# Altium PCB Quark.PcbDoc (part 2 of 4) (continued)
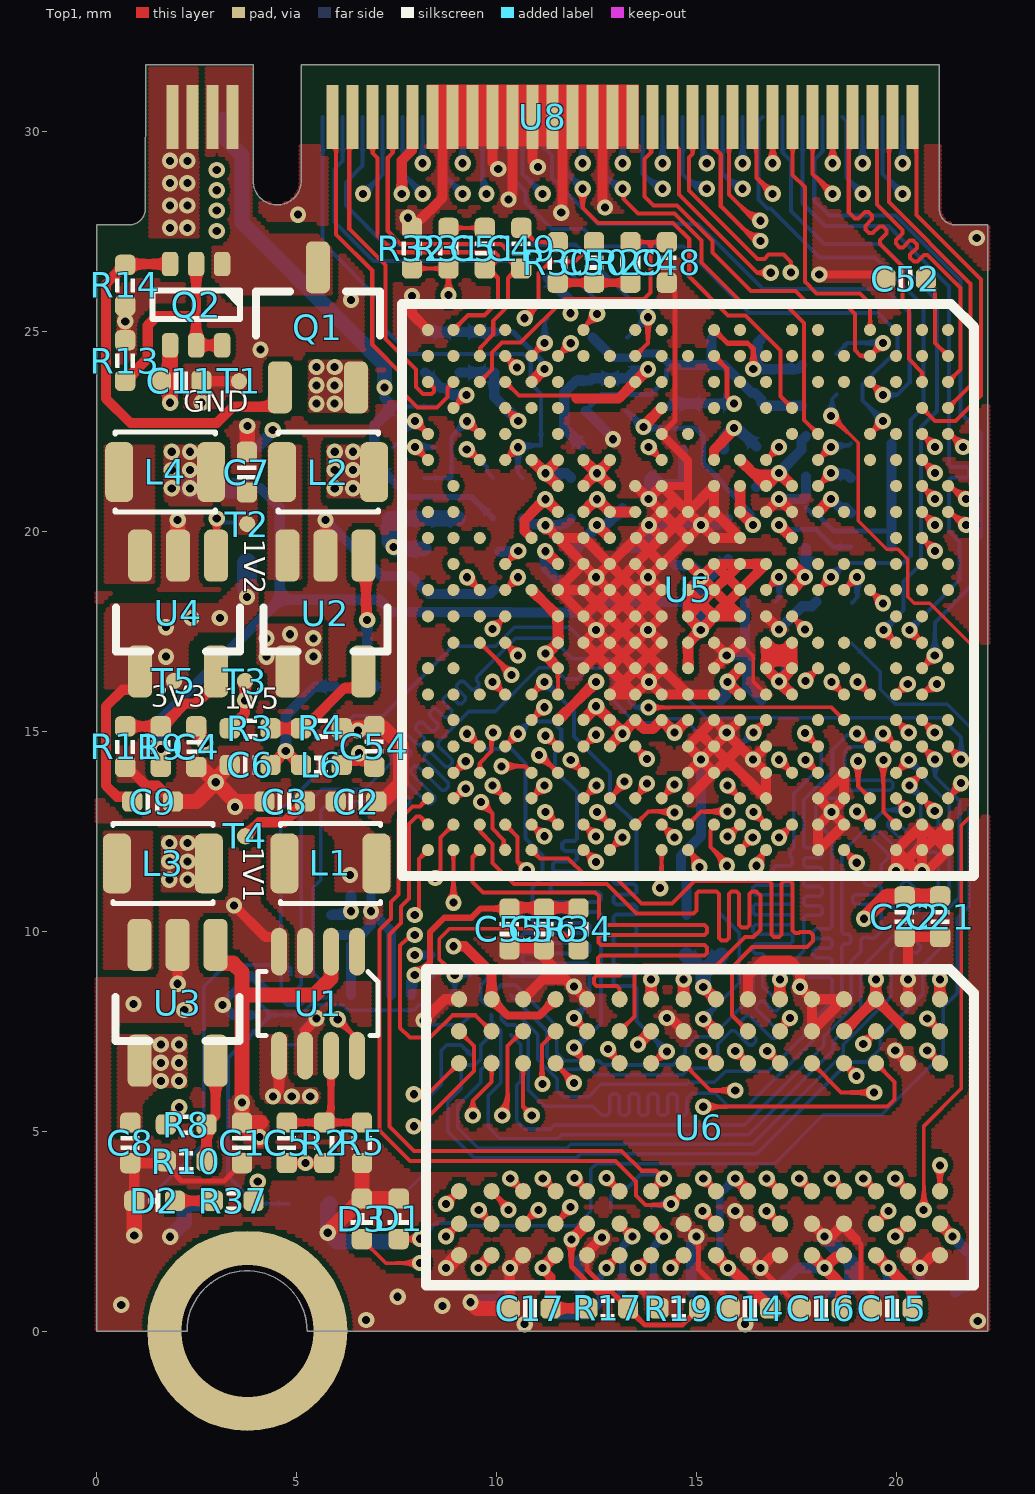
[diagram p0: Top1 view]
## Nets (pads, with @x,y where several pads share a name; then routed paths per layer and width w, separated by ;. In a path a pad name is that pad's centre, name@x,y a point inside that pad or via, vN(x,y) a via of type N, cw(c..) or ccw(c..) an arc to the next point about the centre after c; other vN are vias at no path point) (continued)
NetC59_2: C59.2 C60.2 U7.C2 | length 6
  Bottom6 w0.089: C60.2@6.599,3.251 7.493,3.251 8.331,4.089 8.331,5.893 8.604,6.166 8.604,7.011 8.749,7.157 9.104,7.157 U7.C2@9.352,6.908
NetD1_1: D1.1 R36.2 | length 28.9
  Top1 w0.089: D1.1@7.544,2.301 7.549,2.306 8.072,2.306 v1(8.077,2.311)
  Bottom6 w0.089: v1(8.077,2.311) 8.472,2.707 9.054,2.707 9.119,2.642 11.989,2.642 12.344,2.997 12.344,4.047 12.488,4.191 16.942,4.191 18.161,5.41 19.625,5.41 21.158,6.943 21.158,8.103 21.514,8.458 21.514,10.338 21.806,10.63 21.806,13.043 22.022,13.259 22.022,14.91 21.26,15.672 19.964,15.672 19.583,16.053 19.583,16.485 R36.2@18.872,17.196
NetD2_1: D2.1 R37.2 | length 0.9
  Top1 w0.254: D2.1@1.951,3.261 R37.2@2.901,3.261
NetD3_1: D3.1 R38.2 | length 38.6
  Top1 w0.089: D3.1@6.624,2.301 7.221,1.705 v1(8.077,1.705) ; v1(18.354,22.885) 19.03,22.21 19.03,20.264 19.746,19.547 20.026,19.547 20.274,19.299 20.274,18.359 20.436,18.198 20.817,18.198 21.992,17.023 21.992,13.026 21.603,12.637 21.603,6.058 20.676,5.131 v1@20.676,2.896
  Signal2 w0.089: v1(8.077,1.705) 8.614,1.168 18.796,1.168 19.558,1.93 20.142,1.93 20.668,2.456 v1(20.668,3.03)
  Bottom6 w0.089: v1(18.354,22.885) 18.381,22.912 18.381,23.308 R38.2@18.491,23.419
NetL1_1: L1.1 U1.3
NetL2_1: L2.1 U2.3
NetL3_1: L3.1 U3.3
NetL4_1: L4.1 U4.3
NetQ1_1: Q1.1 Q2.3 R14.1 | length 9.8
  Top1 w0.254: Q2.3@1.83,26.68 0.728,26.68 R14.1@0.707,26.66 0.229,26.181 0.229,23.317 0.838,22.708 2.997,22.708 3.404,23.114 4.394,23.114 4.573,23.293 Q1.1@4.573,23.595
NetQ2_2: Q2.2 Q2.5 Q2.6 R13.2 | length 5.6
  Top1 w0.254: R13.2@0.707,23.759 1.27,24.322 1.27,25.146 1.498,25.375 2.455,25.375 2.48,25.349 ; Q2.2@2.48,26.68 2.48,25.349 ; Q2.6@3.13,24.648 Q2.5@2.48,24.648 2.48,25.349
NetR3_2: R3.2 R4.2 U2.5 | length 3.1
  Top1 w0.254: R3.2@4.34,15.072 4.975,15.072 5.102,15.199 5.305,15.199 6.185,16.079 6.49,16.079 6.661,16.251 U2.5@6.661,16.496
NetR8_2: R8.2 R10.2 U3.5 | length 2.6
  Top1 w0.254: R10.2@2.74,4.254 R8.2@2.74,5.168 2.968,5.396 U3.5@2.968,6.763
NetR9_1: R9.1 R11.2 U4.5 | length 3
  Top1 w0.254: R11.2@0.707,15.123 R9.1@1.596,15.123 1.723,15.25 1.763,15.25 2.21,15.697 2.47,15.697 2.978,16.206 U4.5@2.978,16.496
NetR15_1: R15.1 U6.L8 | length 2
  Top1 w0.102: U6.L8@13.068,2.688 v1(13.385,2.37)
  Bottom6 w0.178: R15.1@13.081,0.965 13.141,1.025 13.141,2.126 v1(13.385,2.37)
NetR16_1: R16.1 U6.L9 | length 3.3
  Top1 w0.102: v1(12.737,1.583) U6.L9@13.055,1.9
  Bottom6 w0.178: R16.1@11.303,0.965 11.353,0.915 11.353,0.56 11.532,0.381 12.268,0.381 12.573,0.686 12.573,1.364 12.737,1.529 v1(12.737,1.583)
NetR20_1: R20.1 U5.V10 | length 0.9
  Top1 w0.102: U5.V10@10.207,19.183 v1(10.532,19.508)
  Bottom6 w0.254: R20.1@10.058,19.486 10.185,19.486 10.207,19.508 v1(10.532,19.508)
NetR28_2: R28.2 U5.AA6 | length 0.9
  Top1 w0.102: v1(7.952,22.108) U5.AA6@8.277,21.783
  Bottom6 w0.127: v1(7.952,22.108) 7.957,22.103 8.428,22.103 R28.2@8.433,22.098
NetR33_2: R33.2 U5.F6 | length 1
  Top1 w0.102: U5.F6@18.029,21.783 v1(18.354,22.108)
  Bottom6 w0.102: v1(18.354,22.108) 18.396,22.15 18.805,22.15 R33.2@18.847,22.192
SA0: U5.T17 U6.N3 | length 17.6
  Top1 w0.102: v1@11.236,14.914 U5.T17@11.528,14.622 ; U6.N3@11.455,6.701 v1@11.95,6.205
  Signal5 w0.102: v1(11.211,14.888) 10.757,15.342 9.144,15.342 8.912,15.11 8.912,14.752 9.068,14.596 10.194,14.596 10.525,14.266 10.525,13.37 10.311,13.156 10.311,6.479 11.214,5.575 11.214,5.092 11.405,4.902 11.684,4.902 12.116,5.334 12.116,6.014 v1(11.925,6.205)
SA1: U5.U18 U6.P7 | length 17.5
  Top1 w0.102: v1(10.117,14.122) 10.707,14.122 U5.U18@10.868,13.961 ; v1(10.332,3.819) U6.P7@10.65,3.501
  Signal5 w0.102: v1(10.117,14.122) 9.728,14.122 9.512,13.906 8.223,13.906 7.925,13.608 7.925,11.88 8.133,11.671 8.6,11.671 9.288,10.983 9.288,8.45 8.839,8.001 8.839,7.563 8.52,7.244 8.52,4.027 8.712,3.835 9.754,3.835 9.817,3.899 9.817,4.5 9.881,4.564 10.008,4.564 10.071,4.5 10.071,4.08 v1(10.332,3.819)
SA2: U5.V19 U6.P3 | length 16.9
  Top1 w0.102: v1(9.89,13.644) U5.V19@10.207,13.326 ; U6.P3@10.655,6.701 10.655,5.609 v1(10.872,5.392)
  Signal5 w0.102: v1(9.89,13.644) 9.89,13.599 10.057,13.432 10.057,12.927 9.982,12.852 8.746,12.852 8.687,12.793 8.687,12.662 8.871,12.478 8.894,12.478 9.008,12.592 9.098,12.592 9.187,12.502 9.187,12.412 9.107,12.332 9.107,12.242 9.197,12.152 9.287,12.152 9.748,12.614 9.838,12.614 9.928,12.524 9.928,12.434 9.466,11.973 9.466,11.883 9.556,11.793 9.646,11.793 9.853,12 9.943,12 10.033,11.911 10.033,11.821 9.826,11.613 9.826,11.524 10.05,11.299 10.05,7.582 9.987,7.518 9.741,7.518 9.677,7.455 9.677,7.328 9.741,7.264 9.987,7.264 10.05,7.201 10.05,7.074 9.987,7.01 9.385,7.01 9.322,6.947 9.322,6.82 9.385,6.756 9.987,6.756 10.05,6.693 10.05,6.079 10.111,6.018 10.387,6.018 10.813,5.592 10.813,5.451 v1(10.872,5.392)
SA3: U5.V20 U6.N2 | length 16.9
  Top1 w0.102: U5.V20@10.207,12.666 10.516,12.358 10.516,11.735 v1@10.731,11.519 ; v1(11.137,6.18) 11.125,6.192 11.125,7.158 U6.N2@11.467,7.501
  Signal5 w0.102: v1@10.719,11.506 10.719,11.455 10.592,11.328 10.592,11.207 10.651,11.148 10.792,11.148 10.853,11.087 10.853,10.96 10.789,10.897 10.628,10.897 10.565,10.833 10.565,10.706 10.628,10.643 10.744,10.643 10.795,10.592 10.795,10.439 10.744,10.389 10.628,10.389 10.565,10.325 10.565,10.198 10.628,10.135 10.744,10.135 10.795,10.084 10.795,9.931 10.744,9.881 10.628,9.881 10.565,9.817 10.565,9.69 10.628,9.627 10.744,9.627 10.795,9.576 10.795,9.423 10.744,9.373 10.628,9.373 10.565,9.309 10.565,9.182 10.628,9.119 10.744,9.119 10.795,9.068 10.795,8.915 10.744,8.865 10.628,8.865 10.565,8.801 10.565,8.674 10.628,8.611 10.744,8.611 10.795,8.56 10.795,8.407 10.744,8.357 10.628,8.357 10.565,8.293 10.565,8.166 10.628,8.103 11.067,8.103 11.131,8.039 11.131,7.912 11.067,7.849 10.628,7.849 10.565,7.785 10.565,7.658 10.628,7.595 11.155,7.595 11.218,7.531 11.218,7.404 11.155,7.341 10.628,7.341 10.565,7.277 10.565,7.15 10.628,7.087 11.168,7.087 11.231,7.023 11.231,6.896 11.168,6.833 10.641,6.833 10.578,6.769 10.578,6.642 10.641,6.579 11.43,6.579 11.557,6.452 11.557,6.088 11.862,5.783 11.862,5.439 11.612,5.19 11.528,5.19 11.468,5.249 11.468,5.702 11.195,5.975 11.195,6.122 v1(11.137,6.18) v1@11.137,6.217
  other v1: 10.744,11.532
SA4: U5.V21 U6.P8 | length 18.3
  Top1 w0.102: v1(9.601,13.233) 9.89,12.945 9.89,12.564 10.169,12.285 10.169,12.07 U5.V21@10.207,12.031 ; U6.P8@10.655,2.692 v1@10.973,3.01
  Signal5 w0.102: v1(9.601,13.233) 9.588,13.221 8.492,13.221 8.433,13.161 8.433,12.239 8.492,12.179 8.811,12.179 9.796,11.194 9.796,8.221 9.373,7.798 9.373,7.362 9.028,7.018 9.028,6.553 9.092,6.49 9.693,6.49 9.757,6.426 9.757,6.299 9.693,6.236 9.092,6.236 9.028,6.172 9.028,5.856 9.124,5.761 10.267,5.761 10.49,5.537 10.49,4.826 10.744,4.572 11.288,4.572 11.352,4.508 11.352,4.381 11.288,4.318 10.757,4.318 10.693,4.254 10.693,3.289 v1@10.973,3.01
  other v1: 11.038,3.031
SA5: U5.Y19 U6.P2 | length 17.6
  Top1 w0.102: U5.Y19@8.912,13.326 8.947,13.326 9.185,13.564 v1(9.22,13.564) ; v1(10.135,5.392) 10.269,5.527 10.269,7.128 U6.P2@10.642,7.501
  Signal5 w0.102: v1(9.22,13.564) 8.306,13.564 8.179,13.437 8.179,11.985 8.238,11.925 8.705,11.925 9.542,11.089 9.542,8.345 9.119,7.921 9.119,7.468 8.774,7.123 8.774,4.301 8.838,4.237 8.965,4.237 9.028,4.301 9.028,4.902 9.092,4.966 9.22,4.966 9.301,4.885 9.301,4.284 9.364,4.221 9.491,4.221 9.555,4.284 9.555,4.812 v1(10.135,5.392)
SA6: U5.Y20 U6.R8 | length 17.1
  Top1 w0.102: v1@8.517,11.469 8.585,11.538 8.585,12.339 U5.Y20@8.912,12.666 ; v1@9.545,3.006 U6.R8@9.862,2.688
  Signal5 w0.102: v1(8.458,11.328) 8.458,11.246 8.56,11.144 8.56,10.164 8.306,9.91 8.306,8.738 7.569,8.001 7.569,7.747 7.569,7.683 7.633,7.62 7.839,7.62 7.902,7.556 7.902,7.429 7.839,7.366 7.633,7.366 7.569,7.302 7.569,7.175 7.633,7.112 7.949,7.112 8.013,7.048 8.013,6.921 7.949,6.858 7.633,6.858 7.569,6.794 7.569,6.667 7.633,6.604 7.949,6.604 8.013,6.54 8.013,6.413 7.949,6.35 7.633,6.35 7.569,6.286 7.569,6.248 7.569,4.775 7.569,4.635 7.633,4.572 7.949,4.572 8.013,4.508 8.013,4.381 7.949,4.318 7.633,4.318 7.569,4.254 7.569,4.127 7.633,4.064 7.949,4.064 8.013,4 8.013,3.873 7.949,3.81 7.633,3.81 7.569,3.746 7.569,3.619 7.633,3.556 7.98,3.556 8.043,3.492 8.043,3.365 7.98,3.302 7.633,3.302 7.569,3.238 7.569,3.048 7.569,2.921 7.747,2.743 9.257,2.743 v1(9.545,3.031)
SA7: U5.V15 U6.R2 | length 17.4
  Top1 w0.102: v1(7.945,9.906) 7.863,9.906 7.761,9.804 7.747,9.804 7.582,9.639 7.582,7.582 7.823,7.341 8.331,7.341 8.89,7.899 9.468,7.899 U6.R2@9.867,7.501 ; v1(9.89,16.234) U5.V15@10.207,15.917
  Signal5 w0.102: v1(7.945,9.906) 7.945,9.908 8.288,10.251 8.288,11.014 7.671,11.631 7.671,13.856 8.09,14.275 8.542,14.275 8.606,14.338 8.606,14.465 8.542,14.529 8.09,14.529 8.026,14.592 8.026,14.719 8.09,14.783 8.542,14.783 8.606,14.846 8.606,14.973 8.542,15.037 8.09,15.037 8.026,15.1 8.026,15.227 8.09,15.291 8.542,15.291 8.606,15.354 8.606,15.481 8.542,15.545 8.09,15.545 8.026,15.608 8.026,16.082 8.179,16.234 v1(9.89,16.234)
SA8: U5.W18 U6.T8 | length 18.7
  Top1 w0.102: v1(8.724,2.37) U6.T8@9.042,2.688 ; U5.W18@9.572,13.961 9.572,14.208 9.864,14.501 9.864,15.003 v1@9.881,15.019
  Signal2 w0.102: v1(8.724,2.37) 8.331,2.763 8.331,3.353 8.945,3.967 8.945,5.596 9.542,6.193 9.542,7.264 9.542,7.328 9.479,7.391 8.903,7.391 8.839,7.455 8.839,7.582 8.903,7.645 9.479,7.645 9.542,7.709 9.542,7.836 9.479,7.899 9.122,7.899 9.059,7.963 9.059,8.09 9.122,8.153 9.479,8.153 9.542,8.217 9.542,8.407 9.542,8.661 9.542,8.712 9.542,11.188 8.839,11.891 8.839,15.138 9.046,15.345 9.525,15.345 v1(9.906,14.964)
SA9: U5.Y18 U6.R3 | length 18.7
  Top1 w0.102: U5.Y18@8.912,13.961 8.922,13.961 9.21,14.249 v1(9.22,14.249) ; v1(9.398,5.392) 9.398,5.765 9.867,6.235 U6.R3@9.867,6.701
  Signal2 w0.102: v1(9.22,14.249) 9.249,14.279 9.58,14.279 9.881,14.58 10.398,14.58 10.541,14.436 10.541,13.932 10.477,13.868 10.424,13.868 10.36,13.805 10.36,13.678 10.424,13.614 10.477,13.614 10.541,13.551 10.541,13.424 10.477,13.36 10.168,13.36 10.104,13.297 10.104,13.17 10.168,13.106 10.477,13.106 10.541,13.043 10.541,12.916 10.477,12.852 9.174,12.852 9.11,12.789 9.11,12.662 9.174,12.598 10.477,12.598 10.541,12.535 10.541,12.408 10.477,12.344 9.177,12.344 9.114,12.281 9.114,12.154 9.177,12.09 10.024,12.09 10.084,12.031 10.084,11.862 9.796,11.574 9.796,6.088 9.398,5.69 v1(9.398,5.392)
SA10: U5.P19 U6.L7 | length 17.9
  Top1 w0.102: v1(12.737,3.831) U6.L7@13.055,3.513 ; U5.P19@12.824,13.326 v1@13.141,13.644
  Signal2 w0.102: 11.582,7.236 11.582,6.833 11.735,6.68 12.29,6.68 12.737,6.233 12.737,5.905 12.674,5.842 12.45,5.842 12.386,5.778 12.386,5.651 12.45,5.588 12.674,5.588 12.737,5.524 v1(12.737,3.831) ; 11.582,7.237 11.582,7.688 ; 11.582,7.689 11.582,7.973 ; 11.582,7.974 11.582,8.475 ; 11.582,8.476 11.582,8.827 11.894,9.14 11.984,9.14 12.724,8.401 12.813,8.401 12.903,8.49 12.903,8.58 12.164,9.32 12.164,9.409 12.254,9.499 12.343,9.499 12.724,9.119 12.813,9.119 12.903,9.209 12.903,9.299 12.523,9.679 12.523,9.769 12.584,9.83 12.827,9.83 12.903,9.906 12.903,11.659 13.068,11.824 13.297,11.824 13.484,12.011 13.484,12.687 13.42,12.751 12.91,12.751 12.846,12.814 12.846,12.941 12.91,13.005 13.42,13.005 13.484,13.068 13.484,13.183 13.382,13.284 13.251,13.284 13.192,13.344 v1(13.192,13.745)
SA11: U5.N19 U6.R7 | length 17.9
  Top1 w0.102: U6.R7@9.872,3.5 v1@10.19,3.182 ; U5.N19@13.459,13.326 v1@13.776,13.644
  Signal2 w0.102: v1(10.292,3.031) 10.292,2.764 10.998,2.057 11.379,2.057 11.608,1.829 12.128,1.829 12.255,1.956 12.802,1.956 13.042,2.196 13.042,3.175 13.157,3.29 13.157,6.172 12.37,6.96 12.37,7.239 12.513,7.382 12.513,7.772 12.285,8.001 12.285,8.09 12.375,8.18 12.465,8.18 12.843,7.802 12.933,7.802 13.157,8.026 13.157,11.176 13.738,11.757 13.738,13.386 13.742,13.39 13.742,13.686 v1(13.751,13.694)
SA12: U5.R18 U6.N7 | length 18.6
  Top1 w0.102: v1(11.145,3.819) U6.N7@11.463,3.501 ; v1(11.846,14.279) U5.R18@12.163,13.961
  Signal2 w0.102: v1(11.145,3.819) 11.087,3.877 11.087,4.026 10.49,4.623 10.49,6.54 10.427,6.604 10.376,6.604 10.312,6.667 10.312,6.794 10.376,6.858 10.605,6.858 10.668,6.921 10.668,7.048 10.605,7.112 10.376,7.112 10.312,7.175 10.312,7.302 10.376,7.366 10.605,7.366 10.668,7.429 10.668,7.556 10.605,7.62 10.376,7.62 10.312,7.683 10.312,7.81 10.376,7.874 10.605,7.874 10.668,7.937 10.668,8.064 10.605,8.128 10.376,8.128 10.312,8.191 10.312,8.318 10.376,8.382 10.605,8.382 10.668,8.445 10.668,8.572 10.605,8.636 10.376,8.636 10.312,8.699 10.312,8.826 10.376,8.89 10.605,8.89 10.668,8.953 10.668,9.08 10.605,9.144 10.376,9.144 10.312,9.207 10.312,9.334 10.376,9.398 11.041,9.398 11.105,9.461 11.105,9.588 11.041,9.652 10.376,9.652 10.312,9.715 10.312,9.842 10.376,9.906 11.448,9.906 11.511,9.969 11.511,10.096 11.448,10.16 10.554,10.16 10.49,10.223 10.49,10.668 11.557,11.735 11.557,13.99 v1(11.846,14.279)
SA13: U5.V12 U6.T3 | length 18.7
  Top1 w0.102: v1(7.924,5.926) 8.28,5.926 U6.T3@9.054,6.701 ; v1(9.89,17.555) U5.V12@10.207,17.873
  Signal2 w0.102: v1(7.924,5.926) 7.924,5.987 7.772,6.138 7.772,6.379 7.836,6.443 8.769,6.443 8.832,6.506 8.832,6.633 8.769,6.697 7.836,6.697 7.772,6.76 7.772,6.887 7.836,6.951 8.262,6.951 ; 8.262,7.205 7.836,7.205 7.772,7.268 7.772,7.899 8.458,8.585 8.458,10.617 8.064,11.011 8.064,11.57 8.255,11.76 8.255,15.447 8.763,15.955 8.853,16.045 8.988,16.179 9.077,16.179 9.379,15.878 9.469,15.878 9.559,15.967 9.559,16.057 9.257,16.359 9.257,16.449 9.32,16.512 9.89,17.082 v1(9.89,17.555) ; 8.287,6.951 8.351,7.014 8.351,7.141 8.287,7.205
SA14: U5.N17 U6.T7 | length 18.7
  Top1 w0.102: v1(8.724,3.183) U6.T7@9.042,3.5 ; U5.N17@13.459,14.622 v1@13.776,14.304
  Signal2 w0.102: v1(8.724,3.183) 8.745,3.183 8.936,3.374 10.524,3.374 10.668,3.23 10.668,2.896 10.875,2.688 11.934,2.688 12.37,3.124 12.37,5.156 11.557,5.969 11.557,6.35 11.176,6.731 11.176,8.814 12.09,9.729 ; 12.088,9.731 12.09,9.734 12.09,13.741 12.471,14.122 12.95,14.122 13.132,14.304 v1(13.751,14.304)
SA15: U5.R17 U6.M7 | length 18.5
  Top1 w0.102: v1(11.937,3.831) U6.M7@12.255,3.513 ; U5.R17@12.163,14.622 v1@12.481,14.939
  Signal2 w0.102: v1(11.937,3.831) 11.899,3.869 11.676,3.869 11.506,4.039 11.506,4.356 11.57,4.42 12.052,4.42 12.116,4.483 12.116,4.61 12.052,4.674 10.908,4.674 10.844,4.737 10.844,4.864 10.908,4.928 11.925,4.928 11.989,4.991 11.989,5.118 11.925,5.182 11.582,5.182 11.455,5.309 11.455,5.563 11.31,5.708 11.056,5.708 10.744,6.02 10.744,6.401 10.922,6.579 10.922,8.92 11.811,9.809 11.811,9.936 11.811,10.19 11.811,10.38 11.747,10.444 10.879,10.444 10.815,10.507 10.815,10.634 10.879,10.698 11.747,10.698 11.811,10.761 11.811,10.795 11.811,13.741 12.481,14.411 v1(12.481,14.914) v1@12.481,14.939
SBA0: U5.W17 U6.M2 | length 17.3
  Top1 w0.102: v1(9.255,14.939) U5.W17@9.572,14.622 ; v1(11.925,7.831) U6.M2@12.242,7.513
  Bottom6 w0.102: v1(9.255,14.939) 9.64,14.554 10.363,14.554 10.719,14.199 10.719,12.319 11.144,11.894 11.144,11.347 11.036,11.239 10.885,11.088 10.885,10.274 10.948,10.211 12.255,10.211 12.319,10.147 12.319,10.02 12.255,9.957 10.694,9.957 10.631,9.893 10.631,9.766 10.694,9.703 12.255,9.703 12.319,9.639 12.319,9.512 12.255,9.449 10.702,9.449 10.638,9.385 10.638,9.258 10.702,9.195 12.255,9.195 12.319,9.131 12.319,8.225 v1(11.925,7.831)
SBA1: U5.T18 U6.N8 | length 17.9
  Top1 w0.102: v1@11.049,14.44 U5.T18@11.528,13.961 ; U6.N8@11.467,2.688 v1@11.785,3.005
  Signal2 w0.102: v1@11.049,14.453 10.795,14.199 10.795,12.141 10.05,11.396 10.05,11.279 10.11,11.219 10.371,11.219 10.439,11.151 10.439,11.024 10.058,10.643 10.058,5.934 9.754,5.63 9.754,5.182 9.576,5.004 9.576,3.712 9.639,3.648 9.766,3.648 9.83,3.712 9.83,4.899 9.893,4.962 10.02,4.962 10.084,4.899 10.084,4.331 10.147,4.267 10.465,4.267 10.744,3.988 10.744,3.632 10.947,3.429 11.76,3.429 11.836,3.353 v1(11.836,3.107)
  other v1: 11.049,14.402
SBA2: U5.V17 U6.M3 | length 17.2
  Top1 w0.102: U5.V17@10.207,14.622 v1(10.525,14.939) ; v1@11.925,7.018 U6.M3@12.242,6.701
  Bottom6 w0.102: v1(10.525,14.939) 10.826,15.24 11.405,15.24 11.608,15.037 11.608,14.605 11.455,14.453 11.455,14.021 12.001,13.475 12.001,12.319 11.937,12.255 11.697,12.255 11.633,12.192 11.633,12.065 11.697,12.001 11.942,12.001 12.006,11.938 12.006,11.811 11.942,11.747 11.468,11.747 11.405,11.684 11.405,11.557 11.468,11.493 12.065,11.493 12.128,11.43 12.128,11.303 12.065,11.239 11.405,11.239 11.342,11.176 11.342,11.049 11.405,10.985 12.535,10.985 12.598,10.922 12.598,10.795 12.535,10.731 11.21,10.731 11.146,10.668 11.146,10.541 11.21,10.477 12.535,10.477 12.598,10.414 12.598,7.692 v1@11.925,7.018
  other v1: 11.925,7.094
SCAS: U5.U15 U6.K3 | length 17.4
  Top1 w0.102: U5.U15@10.868,15.917 v1(11.185,16.234) ; U6.K3@13.855,6.701 13.893,6.701 14.185,6.993 v1(14.249,6.993)
  Bottom6 w0.102: v1(11.185,16.234) 11.925,15.495 11.925,14.872 12.831,13.966 12.831,13.331 13.484,12.678 13.484,11.811 13.484,11.684 13.484,11.493 13.42,11.43 12.983,11.43 12.919,11.366 12.919,11.239 12.983,11.176 13.42,11.176 13.484,11.112 13.484,10.985 13.42,10.922 12.983,10.922 12.919,10.858 12.919,10.731 12.983,10.668 13.42,10.668 13.484,10.604 13.484,10.477 13.42,10.414 12.983,10.414 12.919,10.35 12.919,10.223 12.983,10.16 13.42,10.16 13.484,10.096 13.484,9.969 13.42,9.906 12.983,9.906 12.919,9.842 12.919,9.715 12.983,9.652 13.42,9.652 13.484,9.588 13.484,9.461 13.42,9.398 12.983,9.398 12.919,9.334 12.919,9.207 12.983,9.144 13.42,9.144 13.484,9.08 13.484,8.953 13.42,8.89 12.983,8.89 12.919,8.826 12.919,8.699 12.983,8.636 13.42,8.636 13.484,8.572 13.484,8.509 13.484,7.757 v1(14.249,6.993)
SCK_N: R18.1 U5.AA20 U6.K7 | length 18.1
  Top1 w0.102: U5.AA20@8.277,12.666 8.074,12.869 7.99,12.869 7.798,12.677 7.798,10.817 7.602,10.621 7.602,10.208 7.315,9.92 7.315,5.122 7.928,4.508 13.12,4.508 13.614,4.013 13.977,4.013 v1(14.173,3.818) U6.K7@13.855,3.5
  Bottom6 w0.102: R18.1@12.852,3.107 12.852,3.378 13.081,3.607 13.284,3.607 13.595,3.918 13.99,3.918 14.09,3.818 v1(14.173,3.818)
SCK_P: R18.2 U5.AA19 U6.J7 | length 18.2
  Top1 w0.102: U5.AA19@8.277,13.326 8.074,13.123 7.884,13.123 7.544,12.782 7.544,10.922 7.348,10.726 7.348,10.313 7.061,10.025 7.061,5.017 7.823,4.254 12.967,4.254 13.479,3.742 13.479,3.391 13.713,3.157 14.325,3.157 v1(14.35,3.183) U6.J7@14.668,3.5
  Bottom6 w0.102: R18.2@13.868,3.107 13.906,3.145 14.313,3.145 v1(14.35,3.183)
SCKE0: U5.AA21 U6.K9 | length 17.6
  Top1 w0.102: v1(7.945,10.404) 7.945,10.486 8.052,10.593 8.052,11.806 U5.AA21@8.277,12.031 ; v1(13.525,1.583) U6.K9@13.842,1.9
  Signal5 w0.102: v1(7.945,10.404) 7.315,9.774 7.315,1.905 8.001,1.219 13.161,1.219 v1(13.525,1.583)
SCKE1: U5.Y21 U6.J9 | length 17.3
  Top1 w0.102: v1(8.912,10.715) U5.Y21@8.912,12.031 ; v1(14.338,1.583) U6.J9@14.655,1.9
  Signal5 w0.102: v1(8.912,10.715) 8.912,10.157 8.56,9.804 8.56,7.968 8.562,7.965 8.562,7.645 8.266,7.35 8.266,3.748 8.433,3.581 9.779,3.581 9.906,3.454 9.906,2.388 10.084,2.21 11.151,2.21 11.654,2.713 13.64,2.713 13.776,2.577 13.776,2.282 14.058,1.999 14.079,1.999 14.279,1.799 14.279,1.641 v1(14.338,1.583)
SCS0: U5.W20 U6.L2 | length 18.8
  Top1 w0.102: U5.W20@9.572,12.666 9.572,12.5 9.894,12.179 9.894,11.707 10.424,11.176 12.751,11.176 13.487,10.439 14.909,10.439 14.987,10.517 14.987,10.945 15.04,10.998 15.485,10.998 15.548,10.935 15.548,9.832 15.612,9.768 15.739,9.768 15.802,9.832 15.802,10.935 15.866,10.998 15.993,10.998 16.056,10.935 16.056,10.158 16.12,10.094 16.247,10.094 16.31,10.158 16.31,10.935 16.374,10.998 16.483,10.998 16.586,10.895 16.586,10.033 16.408,9.855 16.205,9.855 15.489,9.139 13.66,9.139 13.437,8.915 13.437,7.869 U6.L2@13.068,7.501
SCS1: U5.W21 U6.L1 | length 19
  Top1 w0.102: U5.W21@9.572,12.031 9.394,11.852 9.394,11.231 9.652,10.973 12.455,10.973 12.548,10.88 12.548,10.312 12.7,10.16 13.131,10.16 15.191,10.16 15.255,10.096 15.255,9.969 15.191,9.906 13.068,9.906 12.606,9.906 12.543,9.842 12.543,9.715 12.606,9.652 13.068,9.652 15.191,9.652 15.255,9.588 15.255,9.461 15.191,9.398 13.068,9.398 12.594,9.398 12.53,9.334 12.53,9.207 12.594,9.144 13.068,9.144 13.131,9.08 13.131,8.953 13.068,8.89 12.486,8.89 12.422,8.826 12.422,8.699 12.486,8.636 13.004,8.636 13.068,8.572 13.068,8.509 U6.L1@13.068,8.301
SDC0-CLK: U5.D20 U8.50 | length 21.3
  Top1 w0.102: v1(19.004,12.991) U5.D20@19.329,12.666
  Signal5 w0.102: v1(14.144,29.199) 14.656,28.687 14.656,28.341 14.29,27.976 14.29,18.943 14.737,18.496 14.737,17.267 15.26,16.744 15.26,16.129 15.509,15.88 16.495,15.88 16.678,15.697 17.628,15.697 18.059,15.265 18.059,13.936 v1(19.004,12.991)
  Bottom6 w0.102: v1(14.144,29.199) U8.50@14.144,30.356
SDC0-CMD: U5.F18 U8.48 | length 20
  Top1 w0.102: v1(17.712,14.279) U5.F18@18.029,13.961
  Signal5 w0.102: v1(14.144,28.562) 13.777,28.196 13.777,25.969 13.289,25.481 13.289,18.811 14.158,17.943 14.158,16.982 14.453,16.688 14.453,16.129 15.075,15.507 16.64,15.507 17.245,14.902 17.245,14.746 v1(17.712,14.279)
  Bottom6 w0.102: U8.48@13.644,30.356 13.644,28.935 v1@14.144,28.435
SDC0-D0: U5.A19 U8.58 | length 21.8
  Top1 w0.102: U5.A19@21.279,13.326 v1@21.604,13.651
  Signal5 w0.102: v1(16.144,29.199) 16.488,28.855 16.488,28.314 15.596,27.422 15.596,24.186 16.332,23.449 16.332,20.687 16.062,20.417 16.062,19.864 16.434,19.492 16.434,18.956 17.229,18.161 18.425,18.161 19.736,16.85 19.736,16.231 20.218,15.748 20.935,15.748 21.961,14.722 21.961,14.058 v1(21.604,13.702)
  Bottom6 w0.102: v1(16.144,29.199) U8.58@16.144,30.356
SDC0-D1: U5.D19 U8.56 | length 20.8
  Top1 w0.102: v1(19.03,14.253) 19.03,13.626 U5.D19@19.329,13.326
  Signal5 w0.102: v1@16.144,28.435 15.321,27.613 15.321,24.049 15.535,23.835 15.535,21.123 15.748,20.91 15.748,19.726 16.093,19.38 16.093,18.857 17.06,17.891 18.33,17.891 19.545,16.675 19.545,15.972 18.661,15.089 18.661,14.536 18.837,14.36 18.84,14.36 18.947,14.253 v1(19.03,14.253)
  Bottom6 w0.102: U8.56@15.644,30.356 15.644,28.935 v1@16.144,28.435
  other v1: 16.144,28.562
SDC0-D2: U5.C20 U8.54 | length 23
  Top1 w0.102: v1(19.662,14.279) 19.662,12.983 U5.C20@19.979,12.666
  Signal5 w0.102: v1@15.144,29.199 15.621,28.722 15.621,28.321 15.057,27.757 15.057,23.846 15.235,23.668 15.235,20.686 15.464,20.457 15.464,19.461 15.839,19.086 15.839,18.251 17.2,16.891 18.948,16.891 19.355,16.485 19.355,16.092 18.466,15.203 18.466,14.249 18.898,13.818 19.201,13.818 v1(19.662,14.279)
  Bottom6 w0.102: v1@15.144,29.199 U8.54@15.144,30.356
  other v1: 15.245,29.199
SDC0-D3: U5.E21 U8.52 | length 22.9
  Top1 w0.102: U5.E21@18.679,12.031 v1(18.997,11.713)
  Signal5 w0.102: v1(15.245,28.562) 15.245,28.341 14.757,27.854 14.757,23.632 14.925,23.465 14.925,20.574 14.757,20.406 14.757,19.771 15.469,19.06 15.469,18.207 16.332,17.343 16.332,16.413 16.858,15.888 18.082,15.888 18.25,15.72 18.25,14.114 18.871,13.492 19.279,13.492 19.492,13.279 19.492,12.208 v1(18.997,11.713)
  Bottom6 w0.102: U8.52@14.644,30.356 14.644,28.935 v1@15.144,28.435
SDC0-DET: U5.G18 U8.46 | length 20
  Top1 w0.102: v1(17.054,14.286) U5.G18@17.379,13.961
  Signal5 w0.102: v1(13.144,29.199) 13.508,28.835 13.508,26.182 12.924,25.598 12.924,23.023 12.512,22.611 12.512,22.022 12.888,21.646 12.888,18.715 13.259,18.344 13.259,17.262 14.144,16.376 14.144,16.016 14.844,15.316 16.561,15.316 17.054,14.823 v1(17.054,14.286)
  Bottom6 w0.102: v1(13.144,29.199) U8.46@13.144,30.356
SDQ0: U5.N20 U6.F8 | length 15.4
  Top1 w0.102: U5.N20@13.459,12.666 13.789,12.996 v1@14.417,12.996 ; v1(16.744,3.005) U6.F8@17.061,2.688
  Signal5 w0.102: v1@14.417,12.996 14.38,12.996 14.072,12.688 14.072,12.094 15.13,11.035 17.099,11.035 18.516,9.618 18.516,7.282 17.17,5.936 17.17,3.431 v1(16.744,3.005)
  other v1: 14.443,12.971
SDQ1: U5.P21 U6.F2 | length 14.4
  Top1 w0.102: U5.P21@12.824,12.031 v1(13.141,12.348) ; U6.F2@17.061,7.513 v1@17.379,7.831
  Signal5 w0.102: v1(13.141,12.348) 13.141,12.305 13.31,12.136 13.31,11.764 13.373,11.701 13.683,11.701 13.747,11.637 13.747,11.51 13.683,11.447 13.373,11.447 13.31,11.383 13.31,11.199 13.807,10.702 14.169,10.702 14.495,10.376 14.495,10.066 14.558,10.002 14.685,10.002 14.749,10.066 14.749,10.376 14.812,10.439 16.002,10.439 16.065,10.376 16.065,10.066 16.129,10.002 16.256,10.002 16.319,10.066 16.319,10.376 16.383,10.439 16.954,10.439 17.653,9.741 17.653,9.651 17.391,9.389 17.391,9.299 17.481,9.209 17.571,9.209 17.833,9.471 17.922,9.471 18.008,9.386 18.008,8.407 17.78,8.179 17.78,7.264 17.505,6.989 17.268,6.989 17.196,7.061 17.196,7.619 17.379,7.802 v1@17.379,7.831
  other v1: 17.328,7.831
SDQ2: U5.P20 U6.F7 | length 14.5
  Top1 w0.102: v1(12.506,12.983) U5.P20@12.824,12.666 ; v1(16.744,3.818) U6.F7@17.061,3.5
  Signal5 w0.102: v1(12.506,12.983) 13.026,12.983 13.589,12.421 13.589,12.217 15.113,10.693 17.081,10.693 18.262,9.513 18.262,7.387 16.744,5.869 v1(16.744,3.818)